# Altium PCB RpiRackHat.PcbDoc
Units mil, origin at the board's own origin, x right, y up, seen from the top; angles counter-clockwise.
Board outline 6299 x 3937 mil, 2 copper layers (Component Side, Bottom Layer), stack 63.824 mil thick; 106 components, 61 nets, 397 pads, 117 vias.
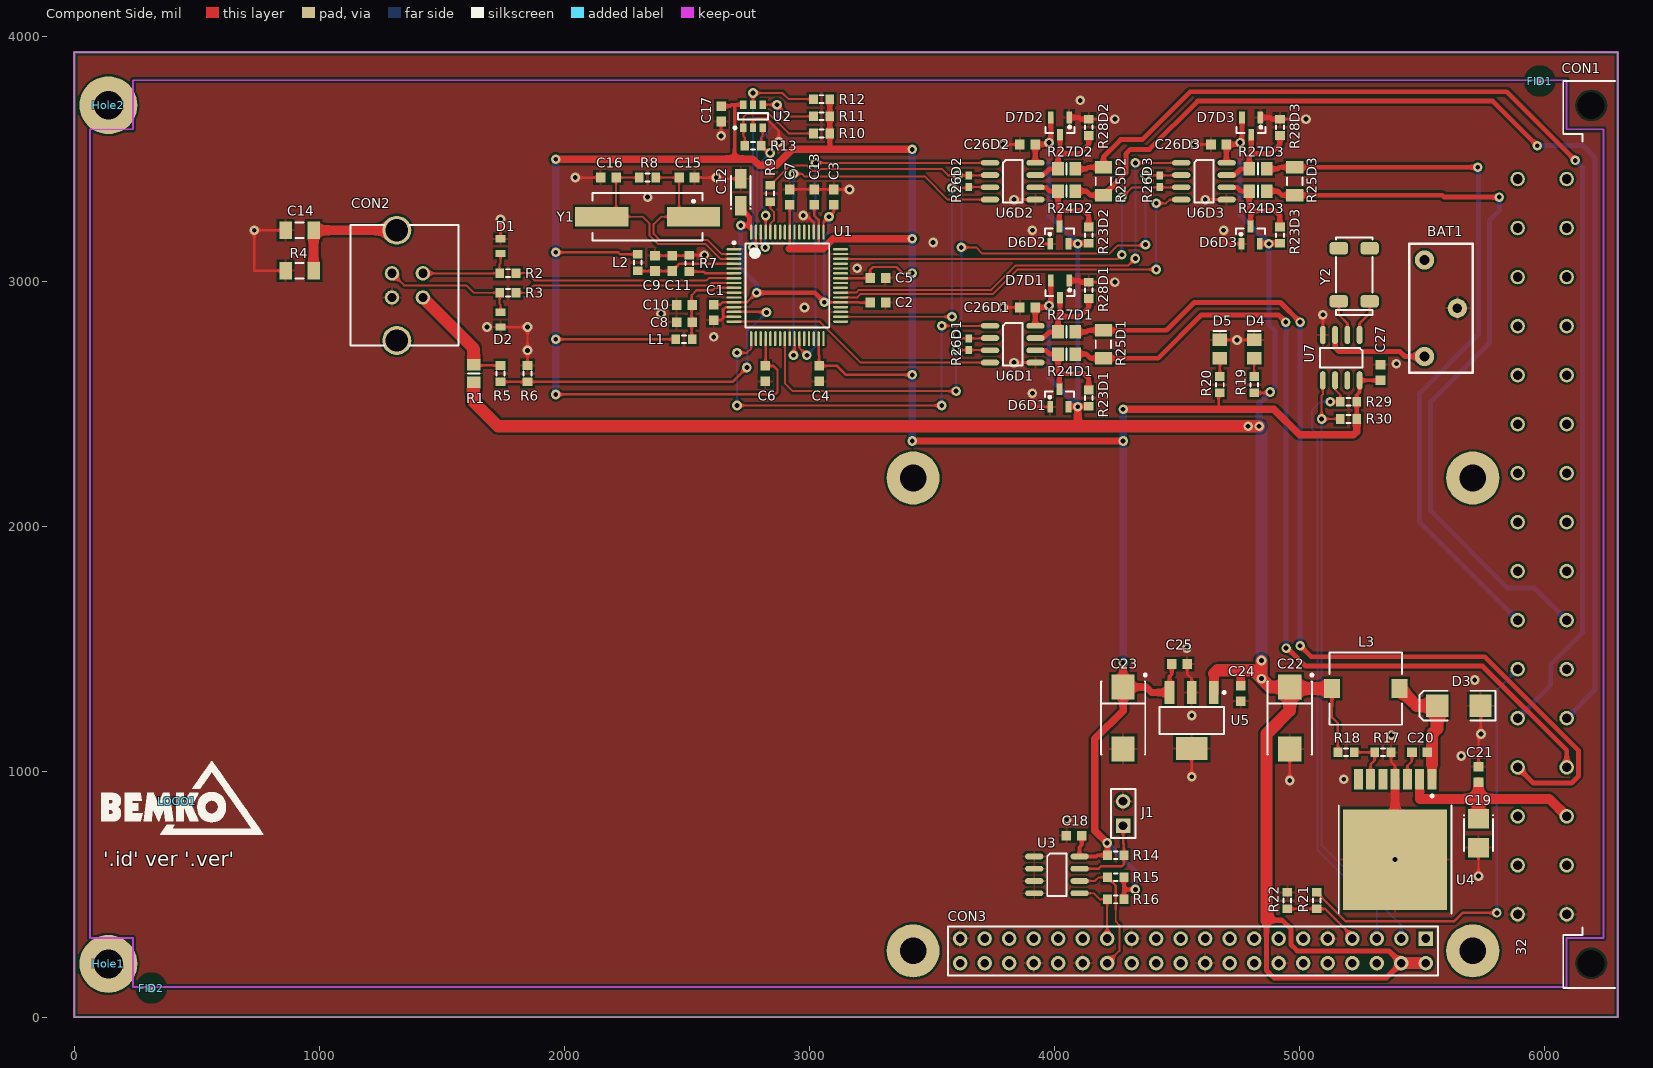
[diagram p0: Component Side view]
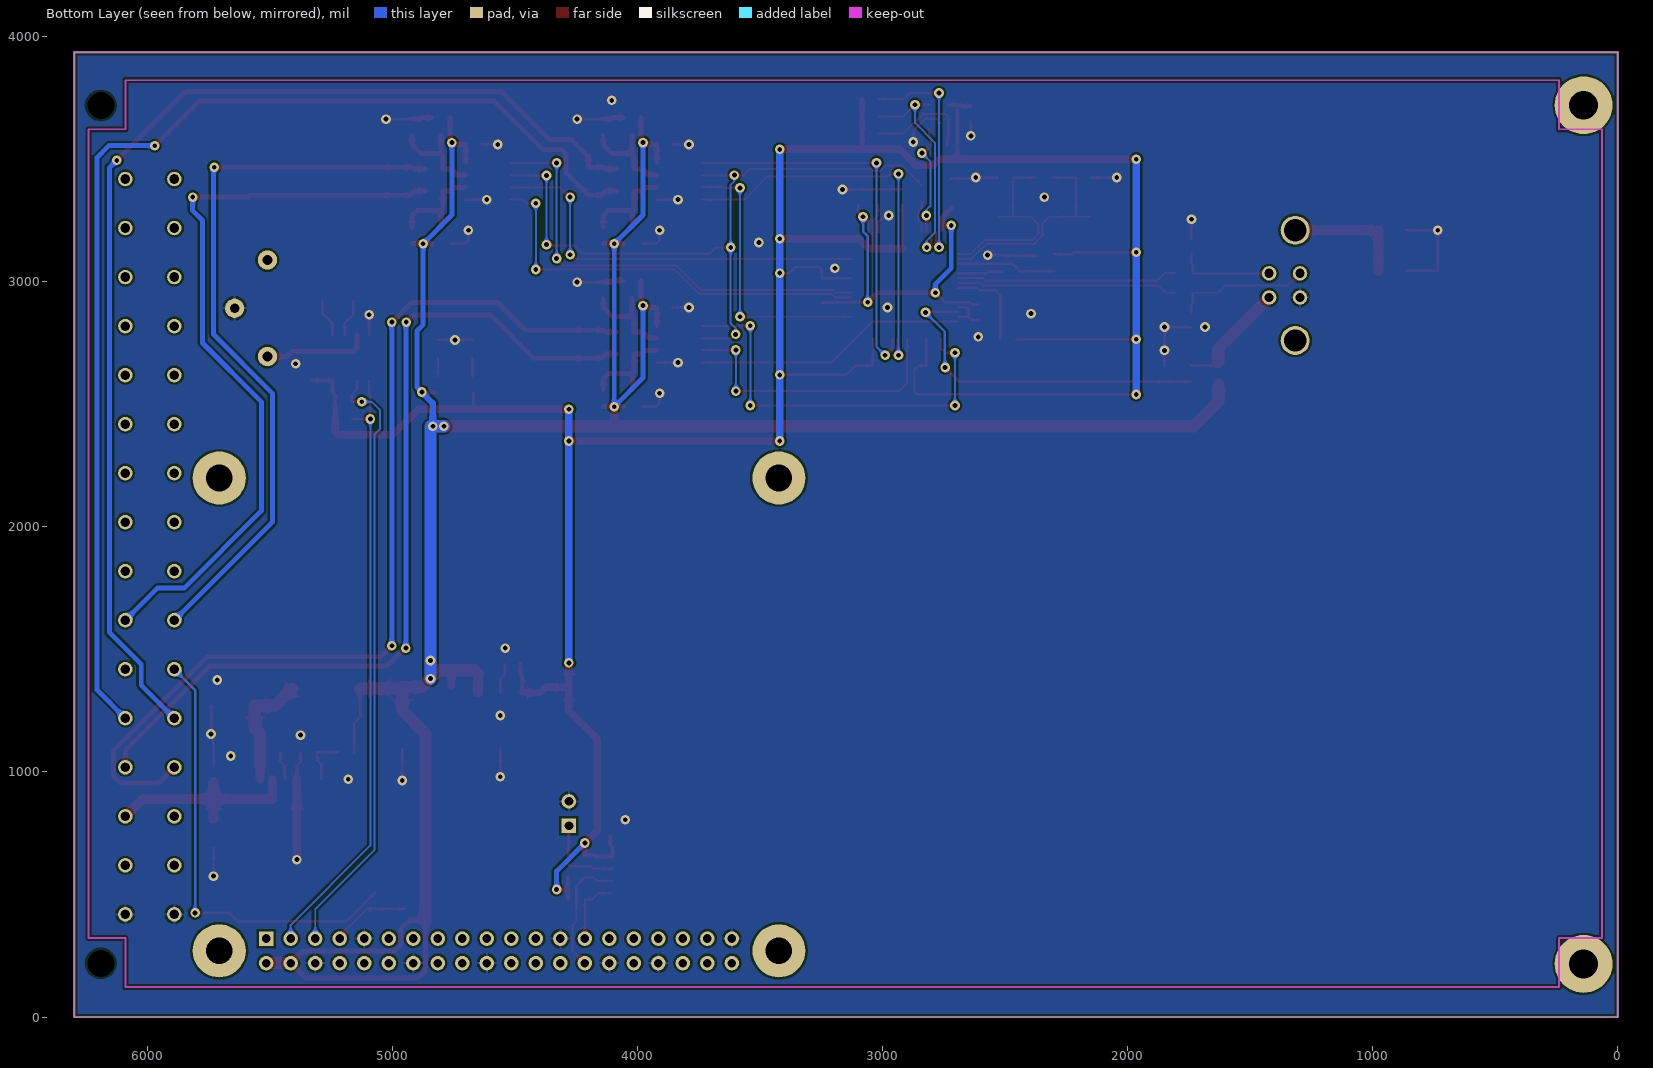
[diagram p1: Bottom Layer view, seen from below]

## Layer stack, top to bottom
Top Solder: solder mask 0.4, Solder Resist, Dk 3.5
Component Side: signal copper 1.4
Dielectric 1: core 61.0236, FR-4, Dk 4.2
Bottom Layer: signal copper 1.4
Solder Side: solder mask 0.4, Solder Resist, Dk 3.5

## Board outline
0,0 0,3937 6299,3937 6299,0

## Design rules (kind name [scope] priority, off if disabled: settings)
Clearance [All] p1: gap=9
Clearance ShieldClearance_TOP_1 [InNamedPolygon('GND_BOT') vs InNetClass('HIS[2..1]')] p2: gap=20
Clearance ShieldClearance_TOP [InNamedPolygon('GND_BOT') vs InNetClass('MOT[8..1]')] p3: gap=20
Clearance ShieldClearance_BOT_1 [InNamedPolygon('GND_BOT') vs InNetClass('HIS[2..1]')] p4: gap=20
Clearance ShieldClearance_BOT [InNamedPolygon('GND_BOT') vs InNetClass('MOT[8..1]')] p5: gap=20
Clearance "Stitching GNDA" [IsStitchingVia and InNet('GNDA') vs (IsVia and (Not IsStitchingVia)) Or IsPad] p6: gap=5
DiffPairsRouting DiffPair_100_2DiffPairsRouting [InDifferentialPairClass('DIFF100_2')] p1: maxlimit=10 minlimit=10 mostfreqgap=10 toplayer_minwidth=8 toplayer_maxwidth=15 toplayer_prefwidth=15 bottomlayer_minwidth=8 bottomlayer_maxwidth=15 bottomlayer_prefwidth=15 maxuncoupledlength=500
DiffPairsRouting DiffPair_100DiffPairsRouting [InDifferentialPairClass('DIFF100')] p2: maxlimit=10 minlimit=10 mostfreqgap=10 toplayer_minwidth=8 toplayer_maxwidth=15 toplayer_prefwidth=15 bottomlayer_minwidth=8 bottomlayer_maxwidth=15 bottomlayer_prefwidth=15 maxuncoupledlength=500
DiffPairsRouting [All] p3: maxlimit=10 minlimit=8 mostfreqgap=8 toplayer_minwidth=8 toplayer_maxwidth=30 toplayer_prefwidth=8 bottomlayer_minwidth=8 bottomlayer_maxwidth=30 bottomlayer_prefwidth=8 maxuncoupledlength=500
Height [All] p1: minheight=0 maxheight=2000 prefheight=500
HoleSize [All] p1: absolutevalues=TRUE maxlimit=200 minlimit=1 maxpercent=80.000 minpercent=20.000
MatchedLengths DiffPair_100_2MatchedLengths [InNetClass('DIFF100_A')] p1: tolerance=1000 checknetsindiffpair=TRUE checkdiffpairvsdiffpair=FALSE checkxsignals=FALSE checkothers=FALSE
MatchedLengths DiffPair_100MatchedLengths [InNetClass('DIFF100_B')] p2: tolerance=5 checknetsindiffpair=TRUE checkdiffpairvsdiffpair=FALSE checkxsignals=FALSE checkothers=FALSE
MinimumSolderMaskSliver [All] p1: minsoldermaskwidth=1
PasteMaskExpansion [InNet('230V_N')] p1: expansion=20
PlaneClearance [All] p1: clearance=10
PlaneConnect MotConnect [InNetClass('MOT[8..1]')] p1: planeconnectstyle=Direct reliefexpansion=20 reliefentries=4 reliefconductorwidth=10 reliefairgap=10
PlaneConnect Via_Thermal_Relief [IsStitchingVia Or IsVia] p2: planeconnectstyle=Direct reliefexpansion=20 reliefentries=4 reliefconductorwidth=10 reliefairgap=40
PlaneConnect ShieldConnect [InNet('SHIELD')] p3: planeconnectstyle=Relief reliefexpansion=20 reliefentries=4 reliefconductorwidth=10 reliefairgap=40
PlaneConnect [All] p4: planeconnectstyle=Relief reliefexpansion=8 reliefentries=4 reliefconductorwidth=8 reliefairgap=5
PolygonConnect GNDA_VIA_CONN [InNet('GND') And (IsStitchingVia Or IsVia)] p1: connectstyle=Direct reliefconductorwidth=10 reliefentries=4 polygonreliefangle="90 Angle" airgapwidth=10
PolygonConnect [All] p2: connectstyle=Relief reliefconductorwidth=10 reliefentries=4 polygonreliefangle="90 Angle" airgapwidth=10
RoomDefinition D3 [InComponentClass('D3')] p1: confinementstyle=ConfineIn formatcopy=TRUE lockcomponents=FALSE outline 4350,3100 5080,3100 5080,3740 4350,3740
RoomDefinition D2 [InComponentClass('D2')] p2: confinementstyle=ConfineIn formatcopy=TRUE lockcomponents=FALSE outline 3570,3100 4300,3100 4300,3740 3570,3740
RoomDefinition D1 [InComponentClass('D1')] p3: confinementstyle=ConfineIn formatcopy=TRUE lockcomponents=FALSE outline 3570,2435 4300,2435 4300,3075 3570,3075
RoutingVias [All] p1: holewidth=5.91 width=11.81 viastyle="Through Hole" minholewidth=5.91 minwidth=11.81 maxholewidth=500 maxwidth=1000
SilkToSilkClearance [All] p1: silktosilkclearance=5
SilkToSolderMaskClearance SilkscreenOverComponentPads [IsPad] p1: minsilkscreentomaskgap=1 clearancetoexposedcopper=TRUE
SolderMaskExpansion vias [IsVia] p1: expansion=0 soldermaskfromhole=TRUE
SolderMaskExpansion [InNet('230V_N')] p2: expansion=5
Width GND [InNet('GND')] p1: maxlimit=100 minlimit=8 preferedwidth=50
Width 3V3 [InNet('3V3')] p2: maxlimit=40 minlimit=8 preferedwidth=30
Width 5V [InNet('5V')] p3: maxlimit=90 minlimit=10 preferedwidth=60
Width 24V [InNet('24V')] p4: maxlimit=80 minlimit=10 preferedwidth=60
Width [All] p5: maxlimit=100 minlimit=6 preferedwidth=8
21 further rules are at their usual default settings.

## Classes and differential pairs
channel class rs485: D1 D2 D3
net class RS485TX[3..1]: RS485TX1 RS485TX2 RS485TX3
net class RS485RX[3..1]: RS485RX1 RS485RX2 RS485RX3
net class RS485DE[3..1]: RS485DE1 RS485DE2 RS485DE3
net class RS485_P[3..1]: RS485_P1 RS485_P2 RS485_P3
net class RS485_N[3..1]: RS485_N1 RS485_N2 RS485_N3
net class DIFF_USB: USBD_N USBD_P
net class DIFF_RS485: RS485_N1 RS485_N2 RS485_N3 RS485_P1 RS485_P2 RS485_P3
component class D3: C26D3 D6D3 D7D3 R23D3 R24D3 R25D3 R26D3 R27D3 R28D3 U6D3
component class D2: C26D2 D6D2 D7D2 R23D2 R24D2 R25D2 R26D2 R27D2 R28D2 U6D2
component class D1: C26D1 D6D1 D7D1 R23D1 R24D1 R25D1 R26D1 R27D1 R28D1 U6D1
differential pair USBD: +USBD_P -USBD_N
differential pair RS4853: +RS485_P3 -RS485_N3
differential pair RS4852: +RS485_P2 -RS485_N2
differential pair RS4851: +RS485_P1 -RS485_N1

## Components (designator, comment, footprint, x,y, rotation, side; value= is the part's Value field where it differs from the comment)
BAT1 "CH74-2032" BAT_2032_HOLDER 5510,3088.7 r270 top locked
C1 "100nF" CAPC1608N 2610,2875 r270 top
C2 "100nF" CAPC1608N 3280,2915 r0 top
C3 "100nF" CAPC1608N 3100,3345 r90 top
C4 "100nF" CAPC1608N 3040,2625 r270 top
C5 "100nF" CAPC1608N 3280,3015 r0 top
C6 "100nF" CAPC1608N 2820,2625 r270 top
C7 "100nF" CAPC1608N 2920,3345 r90 top
C8 "4.7uF" CAPC1608N 2490,2835 r180 top
C9 "4.7uF" CAPC1608N 2370,3075 r90 top
C10 "100nF" CAPC1608N 2490,2905 r180 top
C11 "100nF" CAPC1608N 2440,3075 r90 top
C12 "10uF/6V" SMDA 2720,3365 r90 top
C13 "100nF" CAPC1608N 3020,3345 r90 top
C14 "2n2/500V" CAPC3216N 920,3210 r0 top
C15 "27pF" CAPC1608N 2500,3425 r180 top
C16 "27pF" CAPC1608N 2180,3425 r0 top
C17 "100nF" CAPC1608N 2640,3685 r90 top
C18 "100nF" CAPC1608N 4080,740 r0 top
C19 "10uF 25V" SMDB 5730,750 r270 top
C20 "10nF" CAPC1608N 5490,1080 r180 top
C21 "100nF" CAPC1608N 5730,990 r270 top
C22 "470uF 6V3" SMDD 4960,1220 r270 top
C23 "470uF 6V3" SMDD 4280,1220 r270 top
C24 "100nF" CAPC1608N 4760,1320 r90 top
C25 "100nF" CAPC1608N 4510,1440 r180 top
C26D1 "100nF" CAPC1608N 3890,2895 r180 top (schematic designator C26)
C26D2 "100nF" CAPC1608N 3890,3560 r180 top (schematic designator C26)
C26D3 "100nF" CAPC1608N 4670,3560 r180 top (schematic designator C26)
C27 "100nF" CAPC1608N 5330,2630 r270 top
CON1 "HARTING 09042326832" "HARTING 09041326921" 6090,3419 r90 top locked
CON2 "USB-B" USB-B-STRAIGHT 1360,2985 r270 top
CON3 "RPI3" RaspberryPi3_CON 4534.88,1209.57 r270 top locked
D1 "SURGX" SURGX-0603 1740,3145 r270 top
D2 "SURGX" SURGX-0603 1740,2845 r90 top
D3 "SK210" SMB 5650,1270 r180 top
D4 "LL-S172GC-2A" CD2012-0805 4815,2725 r90 top
D5 "LL-S172GC-2A" CD2012-0805 4675,2725 r90 top
D6D1 "BAT54S" SOT23-3L 4020,2525 r90 top (schematic designator D6)
D6D2 "BAT54S" SOT23-3L 4020,3190 r90 top (schematic designator D6)
D6D3 "BAT54S" SOT23-3L 4800,3190 r90 top (schematic designator D6)
D7D1 "BAT54S" SOT23-3L 4022.6,2969.57 r270 top (schematic designator D7)
D7D2 "BAT54S" SOT23-3L 4022.6,3634.57 r270 top (schematic designator D7)
D7D3 "BAT54S" SOT23-3L 4802.6,3634.57 r270 top (schematic designator D7)
FID1 "Fiducial" "Fid Round" 5980.04,3818.9 r0 top
FID2 "Fiducial" "Fid Round" 314.96,118.11 r90 top
Hole1 "Hole" Hole-3/6 140,217 r0 top
Hole2 "Hole" Hole-3/6 140,3720 r0 top
J1 "Jumper" JUMPER 4280,780 r90 top
L1 "Ferrite" inductor_0603 2455,2765 r270 top
L2 "Ferrite" inductor_0603 2300,3111.93 r180 top
L3 "DR74-330-R" "DR74 Series" 5270,1340 r180 top
LOGO1 "Logo" LOGO_BEMKO 420,880 r0 top
R1 "0R" RESC2012N 1630,2625 r90 top
R2 "22R" RESC1608N 1770,3035 r0 top
R3 "22R" RESC1608N 1770,2955 r0 top
R4 "10M" RESC3216N 920,3045 r0 top
R5 "4k7" RESC1608N 1740,2625 r270 top
R6 "10k" RESC1608N 1850,2625 r90 top
R7 "12k" RESC1608N 2510,3075 r90 top
R8 "1M" RESC1608N 2340,3425 r0 top
R9 "10k" RESC1608N 2840,3360 r270 top
R10 "10k" RESC1608N 3050,3605 r180 top
R11 "10k" RESC1608N 3050,3675 r180 top
R12 "10k" RESC1608N 3050,3745 r180 top
R13 "2k2" RESC1608N 2770,3555 r0 top
R14 "3k9" RESC1608N 4250,660 r0 top
R15 "3k9" RESC1608N 4250,570 r180 top
R16 "3k9" RESC1608N 4250,480 r180 top
R17 "1k" RESC1608N 5340,1080 r180 top
R18 "3k2" RESC1608N 5190,1080 r180 top
R19 "510R" RESC1608N 4815,2580 r90 top
R20 "220R" RESC1608N 4675,2580 r90 top
R21 "6k" RESC1608N 5070,475 r90 top
R22 "10k" RESC1608N 4950,475 r270 top
R23D1 "510R" RESC1608N 4140,2525 r270 top (schematic designator R23)
R23D2 "510R" RESC1608N 4140,3190 r270 top (schematic designator R23)
R23D3 "510R" RESC1608N 4920,3190 r270 top (schematic designator R23)
R24D1 "10R" RESC2012N 4050,2705 r180 top (schematic designator R24)
R24D2 "10R" RESC2012N 4050,3370 r180 top (schematic designator R24)
R24D3 "10R" RESC2012N 4830,3370 r180 top (schematic designator R24)
R25D1 "120R" RESC3216N 4200,2745 r90 top (schematic designator R25)
R25D2 "120R" RESC3216N 4200,3410 r90 top (schematic designator R25)
R25D3 "120R" RESC3216N 4980,3410 r90 top (schematic designator R25)
R26D1 "0R" RESC1005N 3650,2745 r90 top (schematic designator R26)
R26D2 "0R" RESC1005N 3650,3410 r90 top (schematic designator R26)
R26D3 "0R" RESC1005N 4430,3410 r90 top (schematic designator R26)
R27D1 "10R" RESC2012N 4050,2795 r180 top (schematic designator R27)
R27D2 "10R" RESC2012N 4050,3460 r180 top (schematic designator R27)
R27D3 "10R" RESC2012N 4830,3460 r180 top (schematic designator R27)
R28D1 "510R" RESC1608N 4140,2965 r270 top (schematic designator R28)
R28D2 "510R" RESC1608N 4140,3630 r270 top (schematic designator R28)
R28D3 "510R" RESC1608N 4920,3630 r270 top (schematic designator R28)
R29 "3k9" RESC1608N 5200,2510 r180 top
R30 "3k9" RESC1608N 5200,2440 r180 top
U1 "FT4232HL-Reel" LQFP-64_L 2910,2985 r0 top locked
U2 "93LC46" SOT23-6 2770,3675 r90 top
U3 "24_EEPROM" SO-8_L 4010,580 r0 top
U4 "LM2676S-ADJ" TO-263-7 5390,727.26 r180 top
U5 "LM3940IMP-3.3" MP04A_N 4560,1210 r270 top
U6D1 "MAX487ESA" SO-8_L 3830,2745 r0 top (schematic designator U6)
U6D2 "MAX487ESA" SO-8_L 3830,3410 r0 top (schematic designator U6)
U6D3 "MAX487ESA" SO-8_L 4610,3410 r0 top (schematic designator U6)
U7 "DS1340-33" SO-8_L 5170,2690 r270 top
Y1 "12MHz" HC49/4H_SMX 2340,3265 r180 top
Y2 "32.768kHz" ABS25-crystal 5285.98,2920 r90 top

## Footprints (in the part's own frame and the unit in brackets; to place one, negate y for a bottom-side part, rotate by r counter-clockwise, add the part's x,y. Pads: shape width x height; smd on the part's side, far side on the other; paste and mask are expansions set on the pad)
ABS25-crystal [mm]
  rrect50% 1.3x1.9 smd: 1(0,0) 2(0,3.2) ""(5.5,0) ""(5.5,3.2)
  silkscreen extent -1.4,-0.3 6.6,3.5, body extent -1.3,-0.35 6.7,3.45, height 2.43
BAT_2032_HOLDER [mm]
  round 2 hole 1: 1(0,0) 2(10,0) 3(5,3.4)
  silkscreen extent -1.7,-1.6 11.7,5, body extent -6.53,-1.5 16.57,4.9, height 23
CAPC1608N [mm] "Chip Capacitor, Body 1.6x0.8mm, IPC Medium Density"
  rect 1x1 smd: 1(-0.8,0) 2(0.8,0)
  body extent -0.8,-0.4 0.8,0.4, height 0.3
CAPC3216N [mm] "Chip Capacitor, Body 3.2x1.6mm, IPC Medium Density"
  rect 1.3x1.8 smd: 1(-1.45,0) 2(1.45,0)
  silkscreen extent -0.4,-0.8 0.4,0.8, body extent -1.63,-0.79 1.57,0.81, height 1
CD2012-0805 [mm] "Chip Diode; Body 2.0 x 1.3 mm (LxW typ)"
  rect 1.3x1.5 smd: 1(-0.95,0) 2(0.95,0)
  silkscreen extent 1.9,-0.65 1.9,0.65, body extent -1.01,-0.64 1.01,0.61, height 1.1
"DR74 Series" [mm] "Chip Inductor, 2-Leads, Body 7.6x7.6mm, IPC High Density"
  rect 1.7x2 smd: 1(-3.5,0) 2(3.5,0)
  silkscreen extent -3.75,-3.75 3.75,3.75, body extent -3.27,-3.27 3.22,3.22, height 4.8
"Fid Round" [mm]
  round 1 smd paste-2.54 mask+1: 0(0,0)
  Component Side pour cut-out: -1.651,0 -1.525,0.632 -1.167,1.167 -0.632,1.525 0,1.651 0,1.651 0.632,1.525 1.167,1.167 1.525,0.632 1.651,0 1.651,0 1.525,-0.632 1.167,-1.167 0.632,-1.525 0,-1.651 0,-1.651 -0.632,-1.525 -1.167,-1.167 -1.525,-0.632 -1.651,0
"HARTING 09041326921" [mm] "Board-to-Board Connector, Eurocard VME, Right Angle, 3-Row, Pitch 2.54mm, 32-Position"
  round 1.5 hole 1: A2(0,0) A4(-5.08,0) A6(-10.16,0) A8(-15.24,0) A10(-20.32,0) A12(-25.4,0) A14(-30.48,0) A16(-35.56,0) A18(-40.64,0) A20(-45.72,0) A22(-50.8,0) A24(-55.88,0) A26(-60.96,0) A28(-66.04,0) A30(-71.12,0) A32(-76.2,0) C2(0,5.08) C4(-5.08,5.08) C6(-10.16,5.08) C8(-15.24,5.08) C10(-20.32,5.08) C12(-25.4,5.08) C14(-30.48,5.08) C16(-35.56,5.08) C18(-40.64,5.08) C20(-45.72,5.08) C22(-50.8,5.08) C24(-55.88,5.08) C26(-60.96,5.08) C28(-66.04,5.08) C30(-71.12,5.08) C32(-76.2,5.08)
  round 2.5 hole 2.8 unplated: MH1(-81.28,-2.54) MH2(7.62,-2.54)
  silkscreen extent -83.83,-5 10.16,0.36, body extent -83.83,-12.64 10.17,5.38, height 9.55
HC49/4H_SMX [mm] "Quartz Crystal, SM; Body 13.4 (inc. leads) x 4.9 mm (LxW max)"
  rect 5.5x2 smd paste-1: 1(-4.75,0) 2(4.75,0)
  silkscreen extent -5.7,-2.45 5.7,2.45, body extent -6.7,-2.45 6.7,2.45, height 5.08
Hole-3/6 [mm]
  round 6 hole 3: 1(0,0)
inductor_0603 [mm]
  rect 1x0.9 smd: 1(0,0) 2(0,1.7)
  silkscreen extent -0.4,0.65 0.4,1.05, body extent -0.48,0.1 0.47,1.7, height 0.78
JUMPER [mm]
  rect 1.5x1.5 hole 0.9: 1(0,0)
  round 1.5 hole 0.9: 2(2.54,0)
  silkscreen extent -1.27,-1.27 3.81,1.27, body extent -1.27,-1.27 3.81,1.27, height 8.49
LOGO_BEMKO [mil]
  silkscreen extent -308,-135 353,164
LQFP-64_L [mm] "Thin QFP, 64-Leads, Body 10x10mm, Pitch 0.5mm, IPC High Density"
  oval 1.55x0.25 smd: 1(-5.525,3.75) 2(-5.525,3.25) 3(-5.525,2.75) 4(-5.525,2.25) 5(-5.525,1.75) 6(-5.525,1.25) 7(-5.525,0.75) 8(-5.525,0.25) 9(-5.525,-0.25) 10(-5.525,-0.75) 11(-5.525,-1.25) 12(-5.525,-1.75) 13(-5.525,-2.25) 14(-5.525,-2.75) 15(-5.525,-3.25) 16(-5.525,-3.75) 33(5.525,-3.75) 34(5.525,-3.25) 35(5.525,-2.75) 36(5.525,-2.25) 37(5.525,-1.75) 38(5.525,-1.25) 39(5.525,-0.75) 40(5.525,-0.25) 41(5.525,0.25) 42(5.525,0.75) 43(5.525,1.25) 44(5.525,1.75) 45(5.525,2.25) 46(5.525,2.75) 47(5.525,3.25) 48(5.525,3.75)
  oval 0.25x1.55 smd: 17(-3.75,-5.525) 18(-3.25,-5.525) 19(-2.75,-5.525) 20(-2.25,-5.525) 21(-1.75,-5.525) 22(-1.25,-5.525) 23(-0.75,-5.525) 24(-0.25,-5.525) 25(0.25,-5.525) 26(0.75,-5.525) 27(1.25,-5.525) 28(1.75,-5.525) 29(2.25,-5.525) 30(2.75,-5.525) 31(3.25,-5.525) 32(3.75,-5.525) 49(3.75,5.525) 50(3.25,5.525) 51(2.75,5.525) 52(2.25,5.525) 53(1.75,5.525) 54(1.25,5.525) 55(0.75,5.525) 56(0.25,5.525) 57(-0.25,5.525) 58(-0.75,5.525) 59(-1.25,5.525) 60(-1.75,5.525) 61(-2.25,5.525) 62(-2.75,5.525) 63(-3.25,5.525) 64(-3.75,5.525)
  silkscreen extent -5.65,-4.35 4.35,4.55, body extent -6,-6 6,6, height 1.56
MP04A_N [mm] "SOT223, 4-Leads, Body 6.5x3.5mm, Pitch 2.3mm, Lead Span 7mm, IPC Medium Density"
  rect 2.4x1 smd: 1(-2.9,2.3) 2(-2.9,0) 3(-2.9,-2.3)
  rect 2.4x3.3 smd: 4(2.9,0)
  silkscreen extent -3.02,-3.35 1.4,3.48, body extent -3.47,-3.25 3.47,3.25, height 1.64
RaspberryPi3_CON [mm] "Header with step"
  rect 1.5x1.5 hole 0.9: 1(22.595,24.895)
  round 1.5 hole 0.9: 2(25.135,24.895) 3(22.595,22.355) 4(25.135,22.355) 5(22.595,19.815) 6(25.135,19.815) 7(22.595,17.275) 8(25.135,17.275) 9(22.595,14.735) 10(25.135,14.735) 11(22.595,12.195) 12(25.135,12.195) 13(22.595,9.655) 14(25.135,9.655) 15(22.595,7.115) 16(25.135,7.115) 17(22.595,4.575) 18(25.135,4.575) 19(22.595,2.035) 20(25.135,2.035) 21(22.595,-0.505) 22(25.135,-0.505) 23(22.595,-3.045) 24(25.135,-3.045) 25(22.595,-5.585) 26(25.135,-5.585) 27(22.595,-8.125) 28(25.135,-8.125) 29(22.595,-10.665) 30(25.135,-10.665) 31(22.595,-13.205) 32(25.135,-13.205) 33(22.595,-15.745) 34(25.135,-15.745) 35(22.595,-18.285) 36(25.135,-18.285) 37(22.595,-20.825) 38(25.135,-20.825) 39(22.595,-23.365) 40(25.135,-23.365)
  round 5.5 hole 2.75: ""(-25.135,29.765) ""(-25.135,-28.235) ""(23.865,29.765) ""(23.865,-28.235)
  silkscreen extent 21.33,-24.64 26.41,26.16, body extent -30.05,-54.4 27.26,32.97, height 31.73
RESC1005N [mm] "Chip Resistor, Body 1.1x0.5mm, IPC Medium Density"
  rect 0.8x0.7 smd: 1(-0.6,0) 2(0.6,0)
  body extent -0.57,-0.27 0.58,0.28, height 0.41
RESC1608N [mm] "Chip Resistor, Body 1.6x0.8mm, IPC Medium Density"
  rect 0.9x1 smd: 1(-0.85,0) 2(0.85,0)
  silkscreen extent -0.2,-0.4 0.2,0.4, body extent -0.8,-0.4 0.8,0.4, height 0.3
RESC2012N [mm] "Chip Resistor, Body 2.0x1.3mm, IPC Medium Density"
  rect 1.2x1.4 smd: 1(-0.9,0) 2(0.9,0)
  silkscreen extent 0,-0.6 0,0.6, body extent -1,-0.62 1,0.63, height 0.78
RESC3216N [mm] "Chip Resistor, Body 3.2x1.6mm, IPC Medium Density"
  rect 1.3x1.8 smd: 1(-1.45,0) 2(1.45,0)
  silkscreen extent -0.4,-0.8 0.4,0.8, body extent -1.6,-0.8 1.6,0.8, height 0.55
SMB [mm] "DO-214-AA/SMB; 2 C-Bend Leads; Body 5.3 x 3.6 mm, inc. leads (LxW)"
  rect 2.3x2.3 smd: 1(-2.25,0) 2(2.25,0)
  silkscreen extent -3.8,-1.55 4.1,1.55, body extent -2.67,-1.77 2.63,1.83, height 2.4
SMDA [mm] "Capacitor, SM Tantalum; Body 3.2 x 1.6 mm (LxW typ)"
  rect 2x1.2 smd: 1(-1.4,0) 2(1.4,0)
  silkscreen extent -1.71,-1.01 1.7,1.01, body extent -2.4,-0.9 2.4,0.9, height 1.8
SMDB [mm] "Capacitor, SM Tantalum; Body 3.5 x 2.8 mm (LxW typ)"
  rect 2x2.2 smd: 1(-1.5,0) 2(1.5,0)
  silkscreen extent -1.86,-1.5 1.85,1.5, body extent -2.5,-1.5 2.5,1.5, height 2.11
SMDD [mm] "Capacitor, SM Tantalum; Body 7.3 x 4.3 mm (LxW typ)"
  rect 2.6x2.4 smd: 1(-3.2,0) 2(3.2,0)
  silkscreen extent -4.57,-2.3 3.8,2.43, body extent -4.5,-2.3 4.5,2.31, height 3.1
SO-8_L [mm] "8-Pin Small Outline Integrated Circuit 1.27 mm Pitch, IPC High Density"
  oval 1.9x0.6 smd: 1(-2.35,1.905) 2(-2.35,0.635) 3(-2.35,-0.635) 4(-2.35,-1.905) 5(2.35,-1.905) 6(2.35,-0.635) 7(2.35,0.635) 8(2.35,1.905)
  silkscreen extent -1,-2.2 1,2.2, body extent -3.17,-2.5 3.17,2.5, height 1.88
SOT23-3L [mm] "SOT23, 3-Leads, Body 2.9x1.3mm, Pitch 0.95mm, Lead Span 2.5mm, IPC High Density"
  rect 1.2x0.6 smd: 1(-0.9,0.95) 2(-0.9,-0.95) 3(0.9,0)
  silkscreen extent -0.02,-1.5 0.7,1.5, body extent -1.26,-1.45 1.21,1.47, height 1
SOT23-6 [mm] "SOT23, 6-Leads, Body 3x1.5mm, Pitch 1mm, Lead Span 2.7mm, IPC High Density"
  rect 0.9x0.65 smd: 1(-1.2,1) 2(-1.2,0) 3(-1.2,-1) 4(1.2,-1) 5(1.2,0) 6(1.2,1)
  silkscreen extent -1.32,-1.55 0.35,2, body extent -1.4,-1.45 1.4,1.45, height 1.45
SURGX-0603 [mil] "Suppressor diode"
  rect 30x40 smd: 1(-30,0) 2(30,0)
  body extent -31,-16 32,16, height 35
TO-263-7 [mil] "D2-PAK/TO-263-AB; 7 Leads (1 Cropped); Body 15.9 (inc. leads) x 10.4 mm (LxW max)"
  rect 36x85 smd: 1(-150,-242.74) 2(-100,-242.74) 3(-50,-242.74) 4(0,-242.74) 5(50,-242.74) 6(100,-242.74) 7(150,-242.74)
  rect 425x410 smd paste-400: TAB(0,85.26)
  silkscreen extent -230,-179 230,305, body extent -201,-280 199,286, height 179
USB-B-STRAIGHT [mm] "Wurth Electronics Inc 61400413321"
  round 1.5 hole 0.95: 1(1.25,1.6) 2(-1.25,1.6) 3(-1.25,-1.6) 4(1.25,-1.6)
  round 3 hole 2.3: 5(-5.715,-1.1) 6(5.715,-1.1)
  silkscreen extent -6.25,-5.9 6.25,5.3, body extent -7.3,-5.93 7.41,5.27, height 16.5

## Part data
C1 C2 C3 C4 C5 C6 C7 C8 C9 C10 C11 C13 C14 C15 C16 C17 C18 C20 C21 C26D1 C26D2 C26D3 C27: library part Capacitor, "Capacitor"
C12: library part "100uF 6.3V-SMDB", "Polarized Capacitor (Surface Mount)"
C19: library part "Capacitor Tantalum", "Capacitor Tantalum"
C22 C23: library part "10uF 35V-SMDD", "Polarized Capacitor (Surface Mount)"
C24 C25: library part Cap, "Capacitor"
CON1: library part HARTING_09042326832, "Board-to-Board Connector, Eurocard VME, Vertical, 3-Row, 32-Position,"
CON3: library part RaspberryPiCon, "Raspberry pi model 3B connector with step"
D1 D2: "ESD Suppressor"
D3: library part MBRS340T3, "Schottky Barrier Rectifier,  40V, 3A"
D4 D5: library part "Led Green", "Typical GREEN LED"
D6D1 D6D2 D6D3 D7D1 D7D2 D7D3: "Schottky Barrier Double Diode"
FID1 FID2: library part "FID ROUND", "round fiducial"
Hole1 Hole2: library part HOLE_
L1 L2: library part Inductor, "Inductor"
R1 R2 R3 R4 R5 R6 R7 R8 R9 R10 R11 R12 R13 R14 R15 R16 R17 R18 R19 R20 R21 R22 R23D1 R23D2 R23D3 R24D1 R24D2 R24D3 R25D1 R25D2 R25D3 R26D1 R26D2 R26D3 R27D1 R27D2 R27D3 R28D1 R28D2 R28D3 R29 R30: library part Resistor, "Resistor"
U1: library part COM-UART-FT4232H-LQFP64, "Quad High Speed USB To Multipurpose UART/MPSSE IC, 64-pin LQFP, Tape and Reel"
U2: "1K Microwire Compatible Serial EEPROM"
U3: "16Kbit, 400kHz, 2.5V, I2C Serial EEPROM, 8-Pin SOIC 150mil, Extended Temperature"
U4: "SIMPLE SWITCHER High Efficiency 3A Step-Down Voltage Regulator"
U5: "1A Low Dropout Regulator for 5V to 3.3V Conversion, 4-pin SOT-223"
U6D1 U6D2 U6D3: "Low-Power, Slew-Rate-Limited RS-485/RS-422 Transceiver"
U7: library part CMP-0254-00324-1, "64 x 8, Serial, I2C Real-Time Clock, 5.0V, 8-Pin SO, -40 to 85 degC, Pb-Free"
Y1: library part HC49, "HC49"
Y2: library part XTAL, "Crystal Oscillator"

## Via types
v1: diameter 39.37, hole 19.68, Component Side to Bottom Layer, tented both sides, 117 vias

## Nets (pads, with @x,y where several pads share a name; then routed paths per layer and width w, separated by ;. In a path a pad name is that pad's centre, name@x,y a point inside that pad or via, vN(x,y) a via of type N, cw(c..) or ccw(c..) an arc to the next point about the centre after c; other vN are vias at no path point)
1V8: C1.1 C2.1 C3.1 C12.1 U1.12 U1.37 U1.49 U1.64 | length 1596.7
  Component Side w10: C1.1 2636.5,2906.5 2646.1,2916.1 U1.12 2746.1,2916.1 v1(2785,2955) ; C12.1@2720,3295 2720,3300 C12.1 ; U1.49 3057.64,3242.64 v1(3080,3265) 3100,3285 C3.1 ; v1(3061.1,2916.1) U1.37 3203.9,2916.1 3205,2915 C2.1
  Component Side w20: v1(2720,3230) 2755,3230 2755,3265 C12.1@2720,3300 ; v1(2785,2955) 3022.2,2955 v1(3061.1,2916.1)
  Bottom Layer w10: v1(3061.1,2916.1) 3061.1,3186.1 3080,3205 v1(3080,3265)
  Bottom Layer w20: v1(2720,3230) 2720,3055 2785,2990 v1(2785,2955)
3V3: C4.1 C5.1 C6.1 C7.1 C13.1 C17.2 C18.2 C23.1 C25.2 C27.2 L1.1 L2.1 R10.1 R11.1 R12.1 R14.1 R15.1 R16.1 R20.1 R29.1 R30.1 U1.20 U1.31 U1.42 U1.50 U1.56 U2.6 U3.8 U5.3 U7.8 | length 12903.7
  Component Side w10: v1(1965,2540) 2860,2540 2870,2550 2870,2640 2853.5,2656.5 C6.1 2821.42,2657.91 U1.20 ; v1(1965,2765) L1.1 ; v1(1965,3120) 2220,3120 2228.07,3111.93 L2.1 ; 2918.01,3135 2919.84,3136.83 U1.56 2919.84,3313.35 C7.1 ; C13.1 3020,3270 3037.95,3252.05 U1.50 3037.95,3137.95 3035,3135 ; U1.31 3037.95,2702.05 3040,2700 C4.1 3113.5,2656.5 3150,2620 v1(3420,2620) ; U1.42 3248.03,3014.53 3248.03,3048.03 3260,3060 3355,3060 3380,3035 v1(3420,3035) ; 4665,2485 4670,2490 R20.1@4670,2546.54
  Component Side w15: C17.2 2676.5,3716.5 2682.24,3722.24 2695,3722.24 ; 2695,3500 2695,3722.24 ; U2.6 2695,3722.24 ; C18.2 4111.5,701.5 4102.52,692.52 U3.8 4170,655 4175,660 R14.1 ; R16.1 4283.46,520 ; R15.1 4283.46,520 ; v1(4330,520) 4283.46,520 ; U5.3 4469.45,1389.45 4478.5,1398.5 C25.2 ; R30.1 R29.1 5233.46,2538.46 5245,2550 U7.8 5328.98,2597.48 C27.2
  Component Side w20: R12.1 R11.1 R10.1 3083.46,3541.54 3085,3540 ; v1(4215,710) 4216.54,708.46 R14.1
  Component Side w30: v1(1965,3500) 2695,3500 2770,3500 2795,3475 2865,3475 2930,3540 3085,3540 v1(3420,3540) ; 2918.01,3135 3035,3135 3056.61,3135 3096.61,3175 v1(3420,3175) ; v1(3420,2350) v1(4280,2350) ; v1(4215,710) 4165,760 4165,1135 4280,1250 C23.1 ; v1(4280,1445) C23.1 ; v1(4280,2480) 4895,2480 5000,2375 5220,2375 5233.46,2388.46 R30.1 ; U5.3 4395.83,1324.17 4374.02,1345.98 C23.1
  Bottom Layer w20: v1(4215,710) 4330,595 v1(4330,520)
  Bottom Layer w30: v1(1965,2540) v1(1965,2765) v1(1965,3120) v1(1965,3500) ; v1(3420,2350) v1(3420,2620) v1(3420,3035) v1(3420,3175) v1(3420,3540) ; v1(4280,1445) v1(4280,2350) v1(4280,2480)
3V3RPI: CON3.1 CON3.17
5V: C22.1 C24.2 C26D1.1 C26D2.1 C26D3.1 CON3.2 CON3.4 D6D1.2 D6D2.2 D6D3.2 D7D1.2 D7D2.2 D7D3.2 L3.2 R1.1 R18.2 R19.1 R23D1.2 R23D2.2 R23D3.2 U5.1 U6D1.8 U6D2.8 U6D3.8 | length 11889.6
  Component Side w10: R19.1@4820,2546.54 4876.54,2546.54 v1(4880,2550) ; L3.2 5132.2,1222.8 5156.54,1198.46 R18.2
  Component Side w15: U6D1.8@3921.5,2821.02 U6D1.8 ; U6D2.8@3921.5,3486.02 U6D2.8 ; U6D3.8@4701.5,3486.02 U6D3.8
  Component Side w20: U6D1.8@3921.5,2821.02 C26D1.1 3970,2895 v1(3977.6,2902.6) 3985.2,2910.2 D7D1.2 ; U6D2.8@3921.5,3486.02 C26D2.1 3970,3560 v1(3977.6,3567.6) 3985.2,3575.2 D7D2.2 ; D6D1.2 4059.37,2491.54 R23D1.2 ; D6D2.2 4059.37,3156.54 R23D2.2 ; U6D3.8@4701.5,3486.02 C26D3.1 4750,3560 v1(4757.6,3567.6) 4765.2,3575.2 D7D3.2 ; D6D3.2 4839.37,3156.54 R23D3.2 ; 4865,190 4865,395 4930,395 4965,360 4965,295 4990,270 5365,270 CON3.4 5355,160 4895,160 4865,190
  Component Side w30: 4095,2410 v1(4095,2490) ; C24.2 4760,1415
  Component Side w40: U5.1 4650.55,1400.55
  Component Side w50: R1.1@1630,2580 1630,2510 1730,2410 4095,2410 v1(4790,2410) v1(4835,2410) ; 4650.55,1400.55 4665,1415 4760,1415 4810,1415 4879.02,1345.98 C22.1 C22.1@4965.98,1340 ; v1(4844.51,1380.49) v1(4844.51,1454.51) ; 4865,395 4865,1155 4960,1250 4960,1340 C22.1@4965.98,1340 ; L3.2 C22.1@4965.98,1340 ; CON3.4 CON3.2
  Bottom Layer w20: v1(3977.6,2902.6) 3977.6,2607.4 v1(4095,2490) v1(4095,3155) 3977.6,3272.4 v1(3977.6,3567.6) ; v1(4757.6,3567.6) 4757.6,3272.4 v1(4875,3155) 4875,2825 4900,2800 4900,2570 v1(4880,2550)
  Bottom Layer w25: v1(4835,2410) 4835,2505 v1(4880,2550)
  Bottom Layer w50: v1(4790,2410) v1(4835,2410) 4844.51,2410 v1(4844.51,1454.51) v1(4844.51,1380.49)
24V: C19.1 C21.2 CON1.A28 U4.2 | length 858.9
  Component Side w35: 5490,890 U4.2
  Component Side w40: 5490,890 5730,890 ; C19.1 5730,890 ; C21.2 5730,890 ; CON1.A28 6019,890 5730,890
#ACFAIL: CON1.C22 R21.2 | length 1827.8
  Component Side w10: R21.2 5188.46,390 5630,390 5665,425 v1(5805,425)
  Bottom Layer w10: v1(5805,425) 5805,1334 CON1.C22
#ACFAILP: CON3.7 R21.1 R22.2 | length 321.2
  Component Side w10: R22.2 R21.1 5103.46,441.54 5215,330 CON3.7
#PWREN: R9.1 R26D1.2 R26D2.2 R26D3.2 U6D1.2 U6D2.2 U6D3.2 | length 2956.8
  Component Side w8: R9.1 2921.54,3475 2988.78,3475 3011.46,3452.31 3038.54,3452.31 3046.22,3460 3540,3460 3566.38,3433.62 v1@3591.38,3433.62 ; v1(3600,2785) 3616.38,2768.62 R26D1.2 3736.1,2768.62 U6D1.2 ; v1@3605,3433.62 R26D2.2 3736.1,3433.62 U6D2.2 ; v1(3620,3140) 3680,3140 3705,3115 4223.78,3115 4256.46,3147.69 4367.69,3147.69 v1(4371.38,3151.38) ; v1(4371.38,3433.62) R26D3.2 4516.1,3433.62 U6D3.2
  Bottom Layer w8: v1(3600,2785) 3600,2810 3620,2830 v1(3620,3140) 3620,3395 3605,3410 v1(3605,3435) ; v1(4371.38,3151.38) v1(4371.38,3433.62)
CLK: R11.2 U1.62 U2.4 | length 926.2
  Component Side w8: U1.62 2801.73,3158.27 v1(2820,3140) ; U2.4 v1(2867.76,3722.24) 2915,3675 R11.2
  Bottom Layer w8: v1(2820,3140) 2820,3166.73 2787,3199.73 2787,3567 2867.76,3647.76 v1(2867.76,3722.24)
CS: R12.2 U1.63 U2.5 | length 1002.2
  Component Side w8: v1(2770,3140) 2782.05,3152.05 U1.63 ; U2.5 v1(2770,3770) 2890,3770 2915,3745 R12.2
  Bottom Layer w8: v1(2770,3140) v1(2770,3770)
CTS0: CON3.36
D+: CON2.3 D2.2 R3.1 | length 553.8
  Component Side w8: CON2.3 1346.22,2985 1600,2985 1630,2955 R3.1 1736.54,2908.46 1740,2905 D2.2
D-: CON2.2 D1.2 R2.1 | length 395.3
  Component Side w8: CON2.2 1735.75,3034.21 1735.75,3070.75 1740,3075 D1.2
DI: R13.2 U1.61 U2.3 | length 468.8
  Component Side w8: U2.3 2809.37,3594.37 2803.46,3588.46 R13.2 2833.46,3525 v1(2840,3525) ; U1.61 v1(2821.42,3270)
  Bottom Layer w8: v1(2821.42,3270) 2821.42,3293.58 2804,3311 2804,3489 v1(2840,3525)
DO: R10.2 R13.1 U2.1 | length 443.1
  Component Side w8: R13.1 2736.54,3588.46 2730.63,3594.37 U2.1 2730.63,3670.63 2745,3685 2835,3685 2915,3605 R10.2
GND: BAT1.3 C1.2 C2.2 C3.2 C4.2 C5.2 C6.2 C7.2 C8.2 C9.2 C10.2 C11.2 C12.2 C13.2 C14.1 C15.1 C16.1 C17.1 C18.1 C19.2 C21.1 C22.2 C23.2 C24.1 C25.1 C26D1.2 C26D2.2 C26D3.2 C27.1 CON1.A32 CON1.C32 CON2.4 CON3.6 CON3.9 CON3.14 CON3.20 CON3.25 CON3.30 CON3.34 CON3.39 D1.1 D2.1 D3.1 D4.2 D5.2 D6D1.1 D6D2.1 D6D3.1 D7D1.1 D7D2.1 D7D3.1 J1.2 R4.1 R6.2 R7.2 R17.1 R22.1 R28D1.1 R28D2.1 R28D3.1 U1.1 U1.5 U1.10 U1.11 U1.13 U1.15 U1.25 U1.35 U1.47 U1.51 U2.2 U3.1 U3.2 U3.3 U3.4 U4.4 U4.TAB U5.2 U5.4 U6D1.5 U6D2.5 U6D3.5 U7.4 | length 4828.8
  Component Side w10: R4.1 735,3045 v1(735,3210) C14.1 ; D2.1 v1(1850,2815) v1(1850,2720) R6.2 ; D1.1 v1(1740,3255) ; v1(2045,3425) C16.1 ; C9.2 C11.2 2508.03,3106.5 R7.2 v1(2571.54,3108.46) ; C15.1 v1(2620,3425) 2624.88,3420.12 C12.2 ; C1.2 2638.5,2843.5 2647.97,2852.97 ; v1(2640,3595) C17.1 ; U1.15 2652.05,2857.05 2647.97,2852.97 ; U1.13 2659.82,2896.42 2647.97,2884.57 2647.97,2852.97 ; U2.2 2770,3655 2780,3665 2825,3665 2875,3615 v1(2875,3570) ; C7.2 C13.2 C3.2 v1(3163.5,3376.5) ; v1(2975,3270) 2990,3270 3018.27,3241.73 U1.51 ; v1(3790,2895) C26D1.2 ; v1(3790,3560) C26D2.2 ; v1(3835,2670) U6D1.5 ; v1(3835,3335) U6D2.5 ; v1(3910,2545) 3910,2505 3925.43,2489.57 D6D1.1 ; v1(3910,3210) 3910,3170 3925.43,3154.57 D6D2.1 ; R28D1.1 v1(4246.54,2998.46) ; R28D2.1 v1(4246.54,3663.46) ; C25.1 4541.5,1398.5 4560,1380 U5.2 ; v1(4560,980) U5.4 ; v1(4570,3560) C26D3.2 ; v1(4615,3335) U6D3.5 ; D5.2 v1(4745,2762.4) D4.2 ; v1(4690,3210) 4690,3170 4705.43,3154.57 D6D3.1 ; R28D3.1 v1(5026.54,3663.46) ; v1(4960,965) C22.2 ; U7.4 v1(5095,2865) ; R17.1 5373.46,1041.54 5390,1025 U4.4 ; v1(5730,575) C19.2 ; C21.1 5730,1145 v1(5740,1155) 5740,1268.58 D3.1
  Component Side w20: D7D1.1 4100,3005 4106.54,2998.46 R28D1.1 ; D7D2.1 4100,3670 4106.54,3663.46 R28D2.1 ; D7D3.1 4880,3670 4886.54,3663.46 R28D3.1
  Component Side w35: v1(5390,642) U4.4
  other v1: 4050,805 5180,970 5660,1065 5375,1150 4560,1230 5715,1375 4540,1505 5395,2665 2610,2775 1685,2815 2395,2870 2980,2895 3195,3055 3505,3160 2340,3345 4105,3740
NetC8_1: C8.1 C10.1 L1.2 U1.9 | length 365.6
  Component Side w10: L1.2@2521.5,2765 2520,2766.5 2520,2835 2520,2945 2540,2965 2605,2965 2615.16,2975.16 U1.9
NetC9_1: C9.1 C11.1 L2.2 U1.4 | length 405.6
  Component Side w10: L2.2 2301.5,3043.5 C9.1 C11.1 2470.08,3073.58 U1.4
NetC20_1: C20.1 D3.2 L3.1 U4.1 | length 491.5
  Component Side w35: U4.1 5540,1030
  Component Side w50: L3.1 5477.8,1270 D3.2 5561.42,1176.42 5540,1155 5540,1030
NetC20_2: C20.2 U4.3 | length 117.7
  Component Side w10: U4.3 5440,1025 5458.5,1043.5 C20.2
NetD4_1: D4.1 R19.2 | length 74.1
  Component Side w8: R19.2 D4.1
NetD5_1: D5.1 R20.2 | length 74.1
  Component Side w10: R20.2 D5.1
NetD6D1_3: D6D1.3 R23D1.1 R24D1.2 U6D1.6 | length 419.9
  Component Side w20: U6D1.6 3965,2720 3980,2705 R24D1.2 4014.57,2630.43 4020,2625 ; D6D1.3 4020,2625 ; R23D1.1 4140,2605 4120,2625 4020,2625
NetD6D2_3: D6D2.3 R23D2.1 R24D2.2 U6D2.6 | length 419.9
  Component Side w20: U6D2.6 3965,3385 3980,3370 R24D2.2 4014.57,3295.43 4020,3290 ; D6D2.3 4020,3290 ; R23D2.1 4140,3270 4120,3290 4020,3290
NetD6D3_3: D6D3.3 R23D3.1 R24D3.2 U6D3.6 | length 419.9
  Component Side w20: U6D3.6 4745,3385 4760,3370 R24D3.2 4794.57,3295.43 4800,3290 ; D6D3.3 4800,3290 ; R23D3.1 4920,3270 4900,3290 4800,3290
NetD7D1_3: D7D1.3 R27D1.2 R28D1.2 U6D1.7 | length 414.3
  Component Side w20: U6D1.7 3955,2770 3980,2795 R27D1.2 4014.57,2849.57 4022.6,2857.6 ; D7D1.3 4022.6,2857.6 ; R28D1.2 4140,2895 4102.6,2857.6 4022.6,2857.6
NetD7D2_3: D7D2.3 R27D2.2 R28D2.2 U6D2.7 | length 414.3
  Component Side w20: U6D2.7 3955,3435 3980,3460 R27D2.2 4014.57,3514.57 4022.6,3522.6 ; D7D2.3 4022.6,3522.6 ; R28D2.2 4140,3560 4102.6,3522.6 4022.6,3522.6
NetD7D3_3: D7D3.3 R27D3.2 R28D3.2 U6D3.7 | length 414.3
  Component Side w20: U6D3.7 4735,3435 4760,3460 R27D3.2 4794.57,3514.57 4802.6,3522.6 ; D7D3.3 4802.6,3522.6 ; R28D3.2 4920,3560 4882.6,3522.6 4802.6,3522.6
NetR7_1: R7.1 U1.6 | length 185.5
  Component Side w10: R7.1 2568.46,3041.54 2575.79,3034.21 U1.6
NetR9_2: R9.2 U1.60 | length 136
  Component Side w8: R9.2 2840,3300 2855,3285 2855,3250 2841.1,3236.1 U1.60
NetR17_2: R17.2 R18.1 U4.6 | length 199.9
  Component Side w10: R18.1 R17.2 5306.54,1046.54 5290,1030 U4.6
NetU7_1: U7.1 Y2.1 | length 154.5
  Component Side w10: U7.1 5245,2830 5285.98,2870.98 Y2.1
NetU7_2: U7.2 Y2.2 | length 152
  Component Side w10: Y2.2 5160,2865 5195,2830 U7.2
OSCI: C15.2 R8.2 U1.2 Y1.1 | length 830.9
  Component Side w8: R8.2 C15.2 Y1.1@2468.5,3265 ; Y1.1 Y1.1@2468.5,3265 ; U1.2 2642.05,3112.95 2585,3170 2390,3170 2365,3195 2365,3235 2395,3265 Y1.1@2468.5,3265
OSCO: C16.2 R8.1 U1.3 Y1.2 | length 894.4
  Component Side w8: Y1.2 Y1.2@2211.5,3265 ; R8.1 C16.2 Y1.2@2211.5,3265 ; U1.3 2636.73,3093.27 2577,3153 2382.96,3153 2348,3187.96 2348,3237 2320,3265 Y1.2@2211.5,3265
RS485_N1: CON1.C26 R25D1.2 R27D1.1 | length 4023.2
  Component Side w20: R27D1.1 4130,2795 4137.09,2802.09 R25D1.2 4457.09,2802.09 4570,2915 4922.37,2915 v1(5002.37,2835) ; v1(5002.37,1515) 5047.37,1470 5755,1470 6138.53,1086.47 6138.53,983.53 6110,955 5954,955 CON1.C26
  Bottom Layer w20: v1(5002.37,1515) v1(5002.37,2835)
RS485_N2: CON1.C24 R25D2.2 R27D2.1 | length 4709.4
  Component Side w20: R27D2.1 4130,3460 4137.09,3467.09 R25D2.2 4200,3510 4270,3580 4358.35,3580 4553.35,3775 5845,3775 v1(6125,3495)
  Bottom Layer w20: CON1.C24 6025,1354 6025,1440 6155,1570 6155,3465 v1(6125,3495)
RS485_N3: CON1.C20 R25D3.2 R27D3.1 | length 2979
  Component Side w20: R27D3.1 4910,3460 4917.09,3467.09 R25D3.2 v1(5727.09,3467.09)
  Bottom Layer w20: v1(5727.09,3467.09) 5730,3464.17 5730,2785 5490,2545 5490,2019 CON1.C20
RS485_P1: CON1.A26 R24D1.1 R25D1.1 | length 3668.3
  Component Side w20: R24D1.1 4130,2705 4147.09,2687.91 R25D1.1 4422.91,2687.91 4600,2865 4914,2865 v1(4944,2835) ; v1(4945,1505) 4950.92,1505 5023.92,1432 5745.63,1432 6090,1087.63 CON1.A26
  Bottom Layer w20: v1(4944,2835) 4944,2826 4945,2825 v1(4945,1505)
RS485_P2: CON1.A24 R24D2.1 R25D2.1 | length 4761.8
  Component Side w20: R24D2.1 4130,3370 4147.09,3352.91 R25D2.1 4291.31,3444.23 4291.31,3521.31 4310,3540 4387.09,3540 4584.09,3737 5788,3737 v1(5970,3555)
  Bottom Layer w20: v1(5970,3555) 6157,3555 6205,3507 6205,1334 CON1.A24
RS485_P3: CON1.A20 R24D3.1 R25D3.1 | length 3095.6
  Component Side w20: R24D3.1 4910,3370 4927.09,3352.91 R25D3.1 5582.09,3352.91 5590,3345 v1(5815,3345)
  Bottom Layer w20: v1(5815,3345) 5815,3290 5775,3250 5775,2750 5535,2510 5535,2065 5850,1750 5959,1750 CON1.A20
RS485DE1: R26D1.1 U1.24 U6D1.3 | length 1201.1
  Component Side w8: U1.24 2900.16,2585 2931.54,2553.62 v1(3598.62,2553.62) ; v1(3598.62,2721.38) R26D1.1 3736.1,2721.38 U6D1.3
  Bottom Layer w8: v1(3598.62,2553.62) v1(3598.62,2721.38)
RS485DE2: R26D2.1 U1.34 U6D2.3 | length 1137.9
  Component Side w8: U1.34 v1(3582.05,2857.05) ; v1(3582.05,3382.95) 3646.57,3382.95 R26D2.1 3736.1,3386.38 U6D2.3
  Bottom Layer w8: v1(3582.05,2857.05) v1(3582.05,3382.95)
RS485DE3: R26D3.1 U1.46 U6D3.3 | length 1650.4
  Component Side w8: U1.46 4258.27,3093.27 v1(4275,3110) ; v1(4275,3345) 4277.76,3345 4317.76,3385 U6D3.3 U6D3.3@4516.1,3386.38
  Bottom Layer w8: v1(4275,3110) v1(4275,3345)
RS485RX1: U1.17 U6D1.1 | length 1677.2
  Component Side w8: v1(2705,2495) v1(3540,2495) ; v1(2705,2710) 2745,2710 2762.36,2727.36 U1.17 ; v1(3540,2820) U6D1.1
  Bottom Layer w8: v1(2705,2495) v1(2705,2710) ; v1(3540,2495) v1(3540,2820)
RS485RX2: U1.27 U6D2.1 | length 1592.2
  Component Side w8: U1.27 2959.21,2730.79 v1(2990,2700) ; v1(3025,3485) U6D2.1
  Bottom Layer w8: v1(2990,2700) 3025,2735 v1(3025,3485)
RS485RX3: U1.39 U6D3.1 | length 1837.8
  Component Side w8: U1.39 3190.47,2955.47 3202,2967 3742.96,2967 3842.96,3067 4302,3067 v1(4330,3095) ; v1(4330,3485) U6D3.1
  Bottom Layer w8: v1(4330,3095) v1(4330,3485)
RS485TX1: U1.16 U6D1.4 | length 1114.3
  Component Side w8: U1.16 3042.64,2837.36 3210,2670 U6D1.4
RS485TX2: U1.26 U6D2.4 | length 1655.3
  Component Side w8: v1(2935,2700) 2939.53,2704.53 U1.26 ; v1(2935,3440) 2970,3440 2980,3430 3470,3430 3565,3335 U6D2.4
  Bottom Layer w8: v1(2935,2700) v1(2935,3440)
RS485TX3: U1.38 U6D3.4 | length 1713.5
  Component Side w8: U1.38 3195.79,2935.79 3210,2950 3750,2950 3850,3050 v1(4415,3050) ; v1(4415,3320) 4455,3320 4470,3335 U6D3.4
  Bottom Layer w8: v1(4415,3050) v1(4415,3320)
SC: CON3.28 R15.2 U3.6 | length 511
  Component Side w8: U3.6 4165,555 4180,570 R15.2 ; CON3.28 4265,270 4265,375 4250,390 4250,440
  Component Side w10: R15.2 4250,536.54 4250,440
SCL1: CON3.5 R29.2 U7.6 | length 2492.2
  Component Side w8: v1(5125,2510) R29.2 5166.54,2538.46 5145,2560 U7.6
  Bottom Layer w8: v1(5125,2510) 5085,2510 5050,2475 5050,2400 5073,2377 5073,682 5315,440 CON3.5
SD: CON3.27 R16.2 U3.5 | length 285
  Component Side w8: U3.5 4160,505 4185,480 R16.2 4215,478.46 CON3.27
SDA1: CON3.3 R30.2 U7.5 | length 2490.7
  Component Side w8: U7.5 5095,2540 5090,2535 v1(5090,2440) R30.2
  Bottom Layer w8: v1(5090,2440) 5090,700 5415,375 CON3.3
SH: C14.2 CON2.5 CON2.6 R4.2 | length 506.7
  Component Side w40: R4.2 C14.2@977.09,3205 ; C14.2 C14.2@977.09,3205 ; CON2.5 982.09,3210 C14.2@977.09,3205
USBD_N: R2.2 U1.7 | length 905.4
  Component Side w8: R2.2 1850,3035 1880,3005 2580,3005 2589.53,3014.53 U1.7
USBD_P: R3.2 U1.8 | length 905.5
  Component Side w8: R3.2 1845,2955 1875,2985 2592.63,2985 2602.47,2994.84 U1.8
USBIN: R5.2 R6.1 U1.14 | length 1420
  Component Side w10: R5.2 R6.1 2686.54,2591.54 v1(2745,2650) ; U1.14 2823.27,2876.73 v1(2825,2875)
  Bottom Layer w10: v1@2746.54,2650 2746.54,2796.54 v1(2825,2875)
VCELL: BAT1.1 BAT1.2 U7.3 | length 432
  Component Side w20: U7.3 5145,2730 5160,2715 5410,2715 5430,2695 BAT1.2
VUSB: CON2.1 R1.2 R5.1 | length 471.9
  Component Side w10: R1.2@1631.97,2670 1631.97,2658.46 R5.1
  Component Side w50: CON2.1 1630,2728.78 1630,2671.97 R1.2@1631.97,2670
WP: J1.1 R14.2 U3.7 | length 346.6
  Component Side w10: U3.7 4180,605 4190,615 4275,615 4283.46,623.46 R14.2 4283.46,706.54 4280,710 J1.1
pads on no net: CON1.A2 CON1.A4 CON1.A6 CON1.A8 CON1.A10 CON1.A12 CON1.A14 CON1.A16 CON1.A18 CON1.A22 CON1.A30 CON1.C2 CON1.C4 CON1.C6 CON1.C8 CON1.C10 CON1.C12 CON1.C14 CON1.C16 CON1.C18 CON1.C28 CON1.C30 CON1.MH1 CON1.MH2 CON3. CON3.8 CON3.10 CON3.11 CON3.12 CON3.13 CON3.15 CON3.16 CON3.18 CON3.19 CON3.21 CON3.22 CON3.23 CON3.24 CON3.26 CON3.29 CON3.31 CON3.32 CON3.33 CON3.35 CON3.37 CON3.38 CON3.40 FID1.0 FID2.0 Hole1.1 Hole2.1 U1.18 U1.19 U1.21 U1.22 U1.23 U1.28 U1.29 U1.30 U1.32 U1.33 U1.36 U1.40 U1.41 U1.43 U1.44 U1.45 U1.48 U1.52 U1.53 U1.54 U1.55 U1.57 U1.58 U1.59 U4.5 U4.7 U7.7 Y2.

## Polygon pours and split planes (outlines as drawn)
GND on Component Side "GND_TOP" (solid, pour order 0): 0,3940 0,0 6300,0 6300,3940
GND on Bottom Layer "GND_BOT" (solid, pour order 2): 0,3940 0,0 6300,0 6300,3940

## Keep-outs
Keep-Out Layer:
  lines w8: 65,322 240,322 240,122 6090,122 6090,322 6240,322 6240,3622 6090,3622 6090,3822 240,3822 240,3622 65,3622 65,322
  lines w10: 0,0 0,715 0,1712.6 0,3937 3228.35,3937 6299,3937 6299,0 0,0

## Other copper
Component Side:
  region net 1V8: 2762.36,3202.52 2762.36,3245 2745,3245 2745,3219.88

## Silkscreen, mask and mechanical layers (free items; w line width, h text height)
Top Overlay:
  text "'.id' ver '.ver'" at 120,615 h60

## Text inside footprints (layer, text, board x,y; h text height)
CON1: Top Overlay "32" at 5925,250 h40 r90